# Altium PCB PCB_v1.PcbDoc (part 6 of 8)
Units mil, origin at the board's own origin, x right, y up, seen from the top; angles counter-clockwise.
Board outline 17000 x 5250 mil, 4 copper layers (Top Side, Ground Layer, Power Layer, Bottom Side), stack 33.2 mil thick; 637 components, 583 nets, 2779 pads, 978 vias.
Unrouted connection lines stored in the file: 104.
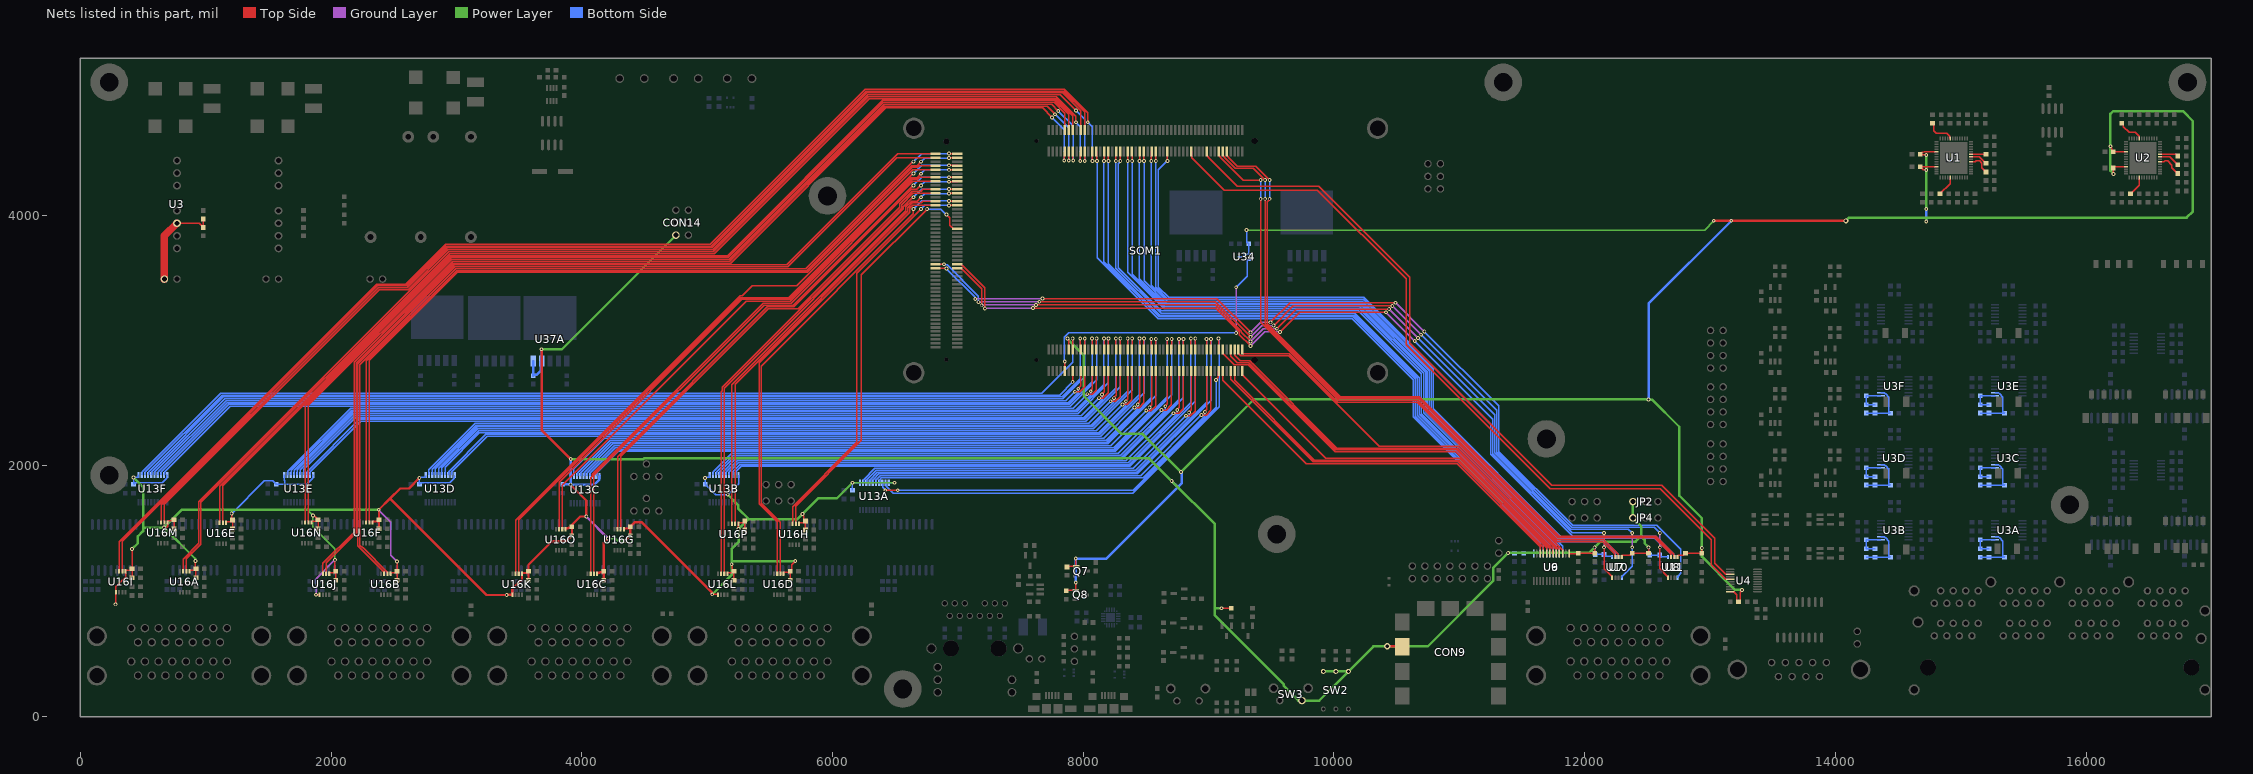
[diagram p8: the nets of this part, all layers, seen from the top]

## Via types
v1: diameter 30, hole 15, Top Side to Bottom Side, 913 vias
v2: diameter 25, hole 15, Top Side to Bottom Side, 30 vias
v3: diameter 60, hole 30, Top Side to Bottom Side, 29 vias
v4: diameter 50, hole 28, Top Side to Bottom Side, 4 vias
v5: diameter 40, hole 20, Top Side to Bottom Side, 2 vias

## Nets (pads, with @x,y where several pads share a name; then routed paths per layer and width w, separated by ;. In a path a pad name is that pad's centre, name@x,y a point inside that pad or via, vN(x,y) a via of type N, cw(c..) or ccw(c..) an arc to the next point about the centre after c; other vN are vias at no path point) (continued)
LV_ENC_B: SOM1.JX1-74 U4.15 | length 6165.2
  Top Side w10: SOM1.JX1-74@8860.51,4506.77 8865.51,4501.77 8865.51,4457.92 9123.43,4200 9868.03,4200 10575,3493.03 10575,2966.01 11724.01,1817 12603.21,1817 13008.7,1411.51 13008.7,1211.19 13124.47,1095.43 13160.4,1095.43 U4.15@13160.75,1095.08
LV_ENC_Z: SOM1.JX1-82 U4.13 | length 6016.3
  Top Side w10: SOM1.JX1-82@8986.49,4506.77 8986.49,4476.77 8997.99,4465.28 8997.99,4462.63 9230.62,4230 9880.45,4230 10605,3505.45 10605,2978.43 11736.43,1847 12615.63,1847 13038.7,1423.93 13038.7,1223.62 13127.52,1134.8 13160.4,1134.8 U4.13@13160.75,1134.45
LV_FLT_DESAT1: SOM1.JX1-13 U16A.2 | length 9058.9
  Top Side w10: U16A.2@844.41,1157.87 844.41,1259.39 960,1374.98 960,1708.7 2944.35,3693.04 5056.17,3693.04 6293.01,4929.89 7779.72,4929.89 7915.63,4793.98 SOM1.JX1-13@7915.63,4680
LV_FLT_DESAT2: SOM1.JX1-18 U16A.3 | length 9454.9
  Top Side w10: U16A.3@818.82,1157.87 818.82,1255.01 945,1381.19 945,1714.91 2938.13,3708.04 5049.95,3708.04 6286.8,4944.89 7785.93,4944.89 7941.63,4789.19 v1(7941.63,4741) ; v1(7976.37,4432.37) 7977.5,4433.5 7977.5,4505.65 SOM1.JX1-18@7978.62,4506.77
  Bottom Side w10: v1(7941.63,4741) 7976.37,4706.26 v1(7976.37,4432.37)
LV_FLT_DESAT3: SOM1.JX3-100 U16B.2 | length 7229.2
  Top Side w10: U16B.2@2448.65,1137.87 2448.65,1152.19 2255.41,1345.42 2250,1345.42 2228.23,1367.2 2228.23,2807.22 2994.05,3573.04 5786.98,3573.04 6640.49,4426.54 v1(6645,4426.54) ; v1(6930,4491.79) 6931.13,4490.66 6993.8,4490.66 SOM1.JX3-100@6994.92,4489.54
  Bottom Side w10: v1(6645,4426.54) 6710.24,4491.79 v1(6930,4491.79)
LV_FLT_DESAT4: SOM1.JX3-97 U16B.3 | length 7052.8
  Top Side w10: U16B.3@2423.06,1137.87 2423.06,1152.19 2245.25,1330 2244.21,1330 2213.23,1360.98 2213.23,2813.43 2987.84,3588.04 5641.67,3588.04 6511.68,4458.04 SOM1.JX3-97@6821.69,4458.04
LV_FLT_DESAT5: SOM1.JX3-88 U16C.2 | length 4671.6
  Top Side w10: U16C.2@4096.56,1137.87 4096.56,1925.47 5454.09,3283 5684.51,3283 6622.08,4220.58 6622.6,4220.58 6639.59,4237.57 v1(6645,4237.57) ; v1(6930,4302.81) 6931.13,4301.69 6993.8,4301.69 SOM1.JX3-88@6994.92,4300.56
  Bottom Side w10: v1(6645,4237.57) 6710.24,4302.81 v1(6930,4302.81)
LV_FLT_DESAT6: SOM1.JX3-85 U16C.3 | length 4506.5
  Top Side w10: U16C.3@4070.97,1137.87 4070.97,1906.07 4081.56,1916.66 4081.56,1931.69 5447.87,3298 5670.08,3298 6641.14,4269.07 SOM1.JX3-85@6821.69,4269.07
LV_FLT_DESAT7: SOM1.JX3-76 U16D.2 | length 3856
  Top Side w10: U16D.2@5584.41,1137.87 5584.41,1549.02 5429.83,1703.6 5429.83,2794.63 6645,4009.81 v1(6645,4048.59) ; v1(6930,4113.84) 6931.13,4112.71 6993.8,4112.71 SOM1.JX3-76@6994.92,4111.58
  Bottom Side w10: v1(6645,4048.59) 6710.24,4113.84 v1(6930,4113.84)
LV_FLT_DESAT8: SOM1.JX3-73 U16D.3 | length 3690.4
  Top Side w10: U16D.3@5558.82,1137.87 5558.82,1553.4 5414.83,1697.39 5414.83,2823.15 6615,4023.32 6615,4053.95 6641.14,4080.09 SOM1.JX3-73@6821.69,4080.09
LV_FLT_TEMP1: SOM1.JX1-20 U16M.2 | length 9329.4
  Top Side w10: U16M.2@669.41,1547.87 669.41,1692.76 2381.64,3405 2613.88,3405 2931.92,3723.04 5043.74,3723.04 6280.58,4959.89 7816.74,4959.89 v1(7941.63,4835) ; SOM1.JX1-20@8010.12,4506.77 8011.24,4505.65 8011.24,4433.5 v1(8012.37,4432.37)
  Bottom Side w10: v1(7941.63,4835) 8011.12,4765.51 8011.12,4433.62 v1(8012.37,4432.37)
LV_FLT_TEMP2: SOM1.JX1-17 U16M.3 | length 9048.6
  Top Side w10: U16M.3@643.82,1547.87 643.82,1688.39 2375.43,3420 2607.66,3420 2925.71,3738.04 5037.53,3738.04 6274.37,4974.89 7837.1,4974.89 7978.62,4833.36 SOM1.JX1-17@7978.62,4680
LV_FLT_TEMP3: SOM1.JX1-12 U16N.2 | length 8405
  Top Side w10: U16N.2@1818.29,1547.87 1818.29,2482.13 2969.2,3633.04 5181.23,3633.04 6418.08,4869.89 7711.03,4869.89 v1@7782.96,4797.96 ; v1(7884.13,4435) SOM1.JX1-12@7884.13,4506.77
  Bottom Side w10: v1(7775.46,4805.46) 7884.13,4696.78 v1(7884.13,4435)
LV_FLT_TEMP4: SOM1.JX1-14 U16N.3 | length 8476.4
  Top Side w10: U16N.3@1792.7,1547.87 1792.7,2477.76 2962.98,3648.04 5175.02,3648.04 6411.87,4884.89 7746.94,4884.89 v1(7800.91,4830.91) ; SOM1.JX1-14@7915.63,4506.77 7917.88,4504.52 7917.88,4437.25 v1(7920.13,4435)
  Bottom Side w10: v1(7800.91,4830.91) 7920.13,4711.69 v1(7920.13,4435)
LV_FLT_TEMP5: SOM1.JX3-87 U16O.2 | length 4346.6
  Top Side w10: U16O.2@3843.43,1492.87 3843.43,1843.42 5313,3313 5663.86,3313 6635.93,4285.07 6681.28,4285.07 6696.78,4300.56 SOM1.JX3-87@6821.69,4300.56
LV_FLT_TEMP6: SOM1.JX3-92 U16O.3 | length 4587.1
  Top Side w10: U16O.3@3817.83,1492.87 3817.83,1870.05 5275.78,3328 5657.65,3328 6629.72,4300.07 6675.07,4300.07 v1(6705,4330) ; v1(6930,4361.3) 6931.13,4362.43 6993.8,4362.43 SOM1.JX3-92@6994.92,4363.55
  Bottom Side w10: v1(6705,4330) 6736.3,4361.3 v1(6930,4361.3)
LV_FLT_TEMP7: SOM1.JX3-75 U16P.2 | length 3336.3
  Top Side w10: U16P.2@5222.59,1537.43 5222.59,2652.12 6600,4029.53 6600,4060.16 6636.93,4097.09 6707.06,4097.09 6721.56,4111.59 SOM1.JX3-75@6821.69,4111.59
LV_FLT_TEMP8: SOM1.JX3-80 U16P.3 | length 3558.6
  Top Side w10: U16P.3@5197,1537.43 5197,2647.75 6585,4035.75 6585,4066.38 6630.71,4112.09 6674.01,4112.09 v1(6705,4143.08) ; v1(6930,4172.32) 6931.13,4173.45 6993.8,4173.45 SOM1.JX3-80@6994.92,4174.58
  Bottom Side w10: v1(6705,4143.08) 6734.24,4172.32 v1(6930,4172.32)
LV_GPIO_A1: SOM1.JX1-92 U8.2 | length 5638.4
  Top Side w10: SOM1.JX1-92@9143.97,4506.77 9143.97,4476.77 9155.47,4465.28 9155.47,4462.63 9228.68,4389.42 9377.88,4389.42 v1(9487.3,4280) ; v1(9487.3,4130) 9487.3,4124.91 9468.63,4106.24 9468.63,3134.72 10050.36,2553 10682.61,2553 11795.61,1440 12566.57,1440 12712.91,1293.66 12712.91,1276.15 U8.2@12716.18,1272.88
  Bottom Side w10: v1(9487.3,4130) v1(9487.3,4280)
LV_GPIO_A2: SOM1.JX1-90 U8.3 | length 5622.7
  Top Side w10: SOM1.JX1-90@9112.48,4506.77 9112.48,4476.77 9123.97,4465.28 9123.97,4462.63 9212.18,4374.42 9356.88,4374.42 v1(9451.3,4280) ; v1(9451.3,4130) 9451.3,3130.84 10044.14,2538 10676.4,2538 11789.4,1425 12560.36,1425 12687.32,1298.03 12687.32,1276.15 U8.3@12690.59,1272.88
  Bottom Side w10: v1(9451.3,4130) v1(9451.3,4280)
LV_GPIO_A3: SOM1.JX1-88 U7.2 | length 5223.3
  Top Side w10: SOM1.JX1-88@9080.98,4506.77 9080.98,4476.77 9092.48,4465.28 9092.48,4462.63 9275.11,4280 v1(9415.3,4280) ; v1(9415.3,4130) 9415.3,3145.63 10037.93,2523 10670.18,2523 11783.18,1410 12151.57,1410 12267.13,1294.44 12267.13,1276.15 U7.2@12270.39,1272.88
  Bottom Side w10: v1(9415.3,4130) v1(9415.3,4280)
LV_GPIO_A4: SOM1.JX2-99 U7.3 | length 3692.1
  Top Side w10: SOM1.JX2-99@9269.96,2930 9269.96,2900 9274.96,2895 9644.72,2895 10031.72,2508 10663.97,2508 11776.97,1395 12145.36,1395 12241.54,1298.82 12241.54,1276.15 U7.3@12244.8,1272.88
LV_GPIO_A5: SOM1.JX2-97 U6.3 | length 3296
  Top Side w10: SOM1.JX2-97@9238.46,2930 9238.46,2896.49 9257.58,2877.38 9641.12,2877.38 10361.42,2157.09 10993.67,2157.09 11823.66,1327.09 11823.66,1301.14 U6.3@11824.57,1300.24
LV_GPIO_A6: SOM1.JX2-95 U6.4 | length 3312.3
  Top Side w10: SOM1.JX2-95@9206.97,2930 9206.97,2881.26 9251.46,2836.77 9326.84,2836.77 10021.53,2142.09 10985.55,2142.09 11798.07,1329.56 11798.07,1301.14 U6.4@11798.98,1300.24
LV_GPIO_A7: SOM1.JX2-93 U6.5 | length 3324.7
  Top Side w10: SOM1.JX2-93@9175.47,2930 9175.47,2874.53 9228.23,2821.77 9320.63,2821.77 10015.31,2127.09 10979.33,2127.09 11772.48,1333.94 11772.48,1301.14 U6.5@11773.39,1300.24
LV_GPIO_A8: SOM1.JX2-89 U6.6 | length 3351.3
  Top Side w10: SOM1.JX2-89@9112.48,2930 9112.48,2897.35 9203.06,2806.77 9314.42,2806.77 10009.1,2112.09 10973.12,2112.09 11746.89,1338.32 11746.89,1301.14 U6.6@11747.8,1300.24
LV_GPIO_A9: SOM1.JX2-90 U6.10 | length 3212.6
  Top Side w10: SOM1.JX2-90@9112.48,2756.77 9112.48,2681.14 9777.63,2015.98 10984.37,2015.98 11645.43,1354.92 U6.10@11645.43,1300.24
LV_GPIO_A10: SOM1.JX2-94 U6.9 | length 3166.6
  Top Side w10: SOM1.JX2-94@9175.47,2756.77 9175.47,2691.42 9835.91,2030.98 10990.58,2030.98 11671.02,1350.54 U6.9@11671.02,1300.24
LV_GPIO_A11: SOM1.JX2-96 U6.8 | length 3164.2
  Top Side w10: SOM1.JX2-96@9206.97,2756.77 9206.97,2681.14 9842.12,2045.98 10996.8,2045.98 11696.05,1346.73 11696.05,1300.8 U6.8@11696.61,1300.24
LV_GPIO_A12: SOM1.JX2-100 U6.7 | length 3097.5
  Top Side w10: SOM1.JX2-100@9269.96,2756.77 9269.96,2726.77 9935.74,2060.98 11003.01,2060.98 11721.3,1342.7 11721.3,1301.14 U6.7@11722.2,1300.24
LV_GPIO_B1: SOM1.JX1-62 U11.3 | length 6269.7
  Top Side w10: v1(8671.54,4432.37) SOM1.JX1-62@8671.53,4506.77
  Bottom Side w10: v1(8671.54,4432.37) 8600,4360.84 8600,3424.64 8680.64,3344 10239,3344 11250,2333 11250,2093.58 11903.58,1440 12566.57,1440 12712.91,1293.66 12712.91,1276.14 U11.3@12716.18,1272.87
LV_GPIO_B2: SOM1.JX1-56 U11.2 | length 6283.2
  Top Side w10: SOM1.JX1-56@8577.05,4506.77 8578.17,4505.65 8578.17,4433.5 v1(8579.3,4432.37)
  Bottom Side w10: v1(8579.3,4432.37) 8579.3,3424.13 8674.43,3329 10232.79,3329 10791,2770.79 10791,2456 11823,1424 12561.36,1424 12687.32,1298.03 12687.32,1276.14 U11.2@12690.59,1272.87
LV_GPIO_B3: SOM1.JX1-54 U10.3 | length 5888.5
  Top Side w10: v1(8543.3,4432.37) 8544.42,4433.5 8544.42,4505.65 SOM1.JX1-54@8545.55,4506.77
  Bottom Side w10: v1(8543.3,4432.37) 8543.3,3438.92 8668.22,3314 10226.58,3314 10776,2764.58 10776,2449.78 11816.78,1409 12152.57,1409 12267.91,1293.66 12267.91,1276.14 U10.3@12271.18,1272.87
LV_GPIO_B4: SOM1.JX1-50 U10.2 | length 5902.2
  Top Side w10: SOM1.JX1-50@8482.56,4506.77 8483.68,4505.65 8483.68,4433.5 v1(8484.81,4432.37)
  Bottom Side w10: v1(8484.81,4432.37) 8484.81,3476.2 8662.01,3299 10220.36,3299 10761,2758.36 10761,2443.57 11810.57,1394 12146.36,1394 12242.32,1298.03 12242.32,1276.14 U10.2@12245.59,1272.87
LV_GPIO_B5: SOM1.JX1-48 U9.10 | length 5518.6
  Top Side w10: v1(8448.81,4432.37) 8449.94,4433.5 8449.94,4505.65 SOM1.JX1-48@8451.06,4506.77
  Bottom Side w10: v1(8448.81,4432.37) 8448.81,3490.98 8655.79,3284 10214.15,3284 10746,2752.15 10746,2437.36 11824.57,1358.79 U9.10@11824.57,1300.24
LV_GPIO_B6: SOM1.JX1-44 U9.9 | length 5532.2
  Top Side w10: SOM1.JX1-44@8388.07,4506.77 8389.2,4505.65 8389.2,4433.5 v1(8390.32,4432.37)
  Bottom Side w10: v1(8390.32,4432.37) 8390.32,3528.26 8649.58,3269 10207.94,3269 10731,2745.94 10731,2431.14 11798.98,1363.17 U9.9@11798.98,1300.24
LV_GPIO_B7: SOM1.JX1-42 U9.8 | length 5534.9
  Top Side w10: v1(8354.32,4432.37) 8355.45,4433.5 8355.45,4505.65 SOM1.JX1-42@8356.57,4506.77
  Bottom Side w10: v1(8354.32,4432.37) 8354.32,3543.04 8645.37,3252 10200.89,3252 10716,2736.89 10716,2424.93 11773.39,1367.54 U9.8@11773.39,1300.24
LV_GPIO_B8: SOM1.JX1-38 U9.7 | length 5571.4
  Top Side w10: SOM1.JX1-38@8293.58,4506.77 8294.71,4505.65 8294.71,4433.5 v1(8295.83,4432.37)
  Bottom Side w10: v1(8295.83,4432.37) 8295.83,4426.96 8280,4411.13 8280,3579.44 8622.44,3237 10194.68,3237 10695,2736.68 10695,2416.23 11747.8,1363.44 U9.7@11747.8,1300.24
LV_GPIO_B9: SOM1.JX1-26 U9.3 | length 5580.3
  Top Side w10: SOM1.JX1-26@8104.61,4506.77 8107.3,4504.07 8107.3,4435.07 v1(8110,4432.37)
  Bottom Side w10: v1(8110,4432.37) 8110,3661.76 8599.14,3172.61 10147.68,3172.61 10633,2687.3 10633,2390.55 11645.43,1378.12 U9.3@11645.43,1300.24
LV_GPIO_B10: SOM1.JX1-30 U9.4 | length 5566.7
  Top Side w10: v1(8165.35,4432.37) 8166.47,4433.5 8166.47,4505.65 SOM1.JX1-30@8167.6,4506.77
  Bottom Side w10: v1(8165.35,4432.37) 8165.35,3627.62 8605.36,3187.61 10153.9,3187.61 10648,2693.51 10648,2396.76 11671.02,1373.74 U9.4@11671.02,1300.24
LV_GPIO_B11: SOM1.JX1-32 U9.5 | length 5562.4
  Top Side w10: SOM1.JX1-32@8199.09,4506.77 8200.22,4505.65 8200.22,4433.5 v1(8201.35,4432.37)
  Bottom Side w10: v1(8201.35,4432.37) 8201.35,3612.84 8611.57,3202.61 10160.11,3202.61 10663,2699.72 10663,2402.98 11696.61,1369.36 U9.5@11696.61,1300.24
LV_GPIO_B12: SOM1.JX1-36 U9.6 | length 5547.1
  Top Side w10: v1(8259.83,4432.37) 8260.96,4433.5 8260.96,4505.65 SOM1.JX1-36@8262.09,4506.77
  Bottom Side w10: v1(8259.83,4432.37) 8259.83,3578.39 8620.61,3217.61 10166.32,3217.61 10680,2703.94 10680,2410.02 11722.2,1367.81 U9.6@11722.2,1300.24
LV_GPIO_DIR1: SOM1.JX3-43 U8.5 | length 7482.5
  Top Side w10: SOM1.JX3-43@6821.69,3607.65 6821.94,3607.9 6889.75,3607.9 v1(6890,3608.15) ; v1(7649.54,3309.54) 9054.46,3309.54 v1(9335,3029) ; v1(9519.09,3119.62) 9675.38,3275.91 v1(10465.91,3275.91) ; v1(12600,1350) 12600,1181.35 12665,1116.35 U8.5@12665,1107.12
  Ground Layer w10: v1(7164.09,3305.91) 7167.27,3309.09 7649.09,3309.09 v1(7649.54,3309.54) ; v1(9335,3029) 9425.62,3119.62 v1(9519.09,3119.62) ; v1(10465.91,3275.91) v1(10695.91,3045.91) ; v1(12600,1350) v1(12600,1465)
  Bottom Side w10: v1(6890,3608.15) 6893.83,3604.32 6913.25,3604.32 7164.09,3353.48 v1(7164.09,3305.91) ; v1(10695.91,3045.91) 11298.48,2443.34 11298.48,2108.74 11897.22,1510 12555,1510 v1(12600,1465)
LV_GPIO_DIR2: SOM1.JX3-44 U7.5 | length 6928.8
  Top Side w10: SOM1.JX3-44@6994.92,3607.65 7024.92,3607.65 7036.42,3596.15 7039.06,3596.15 7215,3420.22 v1(7215,3255) ; v1(7598.63,3258.63) 9056.72,3258.63 9245,3070.36 9245,3047 v1(9335,2957) ; v1(9570,3068.71) 9726.29,3225 v1(10415,3225) ; v1(12155,1350) 12155,1180.56 12219.21,1116.35 U7.5@12219.21,1107.12
  Ground Layer w10: v1(7215,3255) 7216.82,3256.82 7596.82,3256.82 v1(7598.63,3258.63) ; v1(9335,2957) 9446.71,3068.71 v1(9570,3068.71) ; v1(10415,3225) v1(10645,2995) ; v1(12155,1350) v1(12155,1465)
  Bottom Side w10: v1(10645,2995) 11268.48,2371.52 11268.48,2096.31 11899.79,1465 v1(12155,1465)
LV_GPIO_DIR3: SOM1.JX3-41 U11.5 | length 7530.2
  Top Side w10: SOM1.JX3-41@6821.69,3576.15 6822.82,3575.03 6907.18,3575.03 v1(6908.31,3573.9) ; v1(7675,3335) 9065,3335 v1(9335,3065) ; v1(9493.63,3145.08) 9649.92,3301.37 v1(10491.37,3301.37)
  Ground Layer w10: v1(7138.63,3331.37) 7141.81,3334.54 7674.54,3334.54 v1(7675,3335) ; v1(9335,3065) 9415.08,3145.08 v1(9493.63,3145.08) ; v1(10491.37,3301.37) v1(10721.37,3071.37)
  Bottom Side w10: v1(6908.31,3573.9) 7134.81,3347.4 7134.81,3335.19 v1(7138.63,3331.37) ; v1(10721.37,3071.37) 11314.31,2478.42 11314.31,2114.12 11903.43,1525 12575.36,1525 12766.77,1333.58 12766.77,1141.34 12741.77,1116.34 U11.5@12741.77,1107.11
LV_GPIO_DIR4: SOM1.JX3-42 U10.5 | length 7130.2
  Top Side w10: SOM1.JX3-42@6994.92,3576.15 7024.92,3576.15 7036.42,3564.66 7039.06,3564.66 7189.54,3414.18 v1(7189.54,3280.46) ; v1(7624.09,3284.09) 9052.48,3284.09 9262.15,3074.41 9262.15,3065.85 v1(9335,2993) ; v1(9544.54,3094.17) 9700.83,3250.46 v1(10440.46,3250.46)
  Ground Layer w10: v1(7189.54,3280.46) 7192.72,3283.63 7623.63,3283.63 v1(7624.09,3284.09) ; v1(9335,2993) 9436.17,3094.17 v1(9544.54,3094.17) ; v1(10440.46,3250.46) v1(10670.46,3020.46) ; v1(12380,1350) v1(12380,1465)
  Bottom Side w10: v1(10670.46,3020.46) 11283.48,2407.43 11283.48,2102.53 11891.01,1495 12350,1495 v1(12380,1465) ; U10.5@12296.77,1107.11 12296.77,1116.34 12380,1199.57 v1(12380,1350)
LV_INV1_PWM1: SOM1.JX2-25 U13F.9 | length 8180.6
  Top Side w10: SOM1.JX2-25@8104.61,2930 8105.73,2931.13 8105.73,3013.87 v1(8106.86,3015)
  Bottom Side w10: U13F.9@667.44,1927.6 671.3,1931.46 671.3,1953.47 1192.93,2475.1 7894.68,2475.1 8106.86,2687.28 v1(8106.86,3015)
LV_INV1_PWM2: SOM1.JX2-23 U13F.8 | length 8178.9
  Top Side w10: v1(8070.86,3015) 8071.98,3013.87 8071.98,2931.13 SOM1.JX2-23@8073.11,2930
  Bottom Side w10: U13F.8@641.85,1927.6 645.71,1931.46 645.71,1953.47 1182.34,2490.1 7888.47,2490.1 8070.86,2672.49 v1(8070.86,3015)
LV_INV1_PWM3: SOM1.JX2-18 U13F.7 | length 7809.7
  Top Side w10: v1(7960,2615) 7960,2620.18 7978.62,2638.8 SOM1.JX2-18@7978.62,2756.77
  Bottom Side w10: U13F.7@616.26,1927.6 620.12,1931.46 620.12,1953.47 1171.75,2505.1 7882.25,2505.1 7960,2582.85 v1(7960,2615)
LV_INV1_PWM4: SOM1.JX2-20 U13F.6 | length 7851.1
  Top Side w10: v1(7932.94,2591.15) 7934.09,2590 7970.36,2590 8010.12,2629.76 SOM1.JX2-20@8010.12,2756.77
  Bottom Side w10: U13F.6@590.67,1927.6 594.53,1931.46 594.53,1953.47 1161.16,2520.1 7861.9,2520.1 v1(7932.94,2591.15)
LV_INV1_PWM5: SOM1.JX2-19 U13F.5 | length 8175.1
  Top Side w10: SOM1.JX2-19@8010.12,2930 8011.24,2931.13 8011.24,3013.87 v1(8012.37,3015)
  Bottom Side w10: U13F.5@565.08,1927.6 568.94,1931.46 568.94,1953.47 1150.57,2535.1 7837.3,2535.1 8012.37,2710.17 v1(8012.37,3015)
LV_INV1_PWM6: SOM1.JX2-17 U13F.4 | length 8173.4
  Top Side w10: v1(7976.37,3015) 7977.5,3013.87 7977.5,2931.13 SOM1.JX2-17@7978.62,2930
  Bottom Side w10: U13F.4@539.49,1927.6 543.35,1931.46 543.35,1953.47 1139.98,2550.1 7831.09,2550.1 7976.37,2695.39 v1(7976.37,3015)
LV_INV2_PWM1: SOM1.JX2-24 U13E.3 | length 6863.3
  Top Side w10: v1(8060,2595) 8060,2600.41 8073.11,2613.52 SOM1.JX2-24@8073.11,2756.77
  Bottom Side w10: U13E.3@1677.13,1927.6 1680.98,1931.46 1680.98,1963.24 2162.85,2445.1 7941.05,2445.1 8060,2564.06 v1(8060,2595)
LV_INV2_PWM2: SOM1.JX2-26 U13E.2 | length 6903.4
  Top Side w10: v1(8032.34,2571.75) 8034.09,2570 8070.36,2570 8104.61,2604.25 SOM1.JX2-26@8104.61,2756.77
  Bottom Side w10: U13E.2@1651.54,1927.6 1655.39,1931.46 1655.39,1958.86 2156.64,2460.1 7920.69,2460.1 v1(8032.34,2571.75)
LV_INV2_PWM3: SOM1.JX2-29 U13E.4 | length 7233.6
  Top Side w10: v1(8165.35,3015) 8166.47,3013.87 8166.47,2931.13 SOM1.JX2-29@8167.6,2930
  Bottom Side w10: U13E.4@1702.72,1927.6 1706.57,1931.46 1706.57,1965.1 2171.57,2430.1 7947.26,2430.1 8165.35,2648.19 v1(8165.35,3015)
LV_INV2_PWM4: SOM1.JX2-31 U13E.5 | length 7238.7
  Top Side w10: SOM1.JX2-31@8199.09,2930 8200.22,2931.13 8200.22,3013.87 v1(8201.35,3015)
  Bottom Side w10: U13E.5@1728.31,1927.6 1729.89,1929.18 1729.89,1967.2 2177.79,2415.1 7954.89,2415.1 8201.35,2661.56 v1(8201.35,3015)
LV_INV2_PWM5: SOM1.JX2-14 U13F.3 | length 7808.9
  Top Side w10: v1(7915.63,2670) SOM1.JX2-14@7915.63,2756.77
  Bottom Side w10: U13F.3@513.9,1927.6 517.76,1931.46 517.76,1953.47 1129.39,2565.1 7810.73,2565.1 v1(7915.63,2670)
LV_INV2_PWM6: SOM1.JX2-13 U13F.2 | length 8086.6
  Top Side w10: SOM1.JX2-13@7915.63,2930 v1(7915.63,3015)
  Bottom Side w10: U13F.2@488.31,1927.6 492.17,1931.46 492.17,1953.47 1118.79,2580.1 7670.1,2580.1 7915.63,2825.63 v1(7915.63,3015)
LV_INV3_PWM1: SOM1.JX2-43 U13D.5 | length 6340.8
  Top Side w10: SOM1.JX2-43@8388.07,2930 8389.2,2931.13 8389.2,3013.87 v1(8390.32,3015)
  Bottom Side w10: U13D.5@2857.13,1927.6 2857.13,1981.98 3170.25,2295.1 8079.06,2295.1 8390.32,2606.36 v1(8390.32,3015)
LV_INV3_PWM2: SOM1.JX2-41 U13D.4 | length 6335.1
  Top Side w10: v1(8354.32,3015) 8355.45,3013.87 8355.45,2931.13 SOM1.JX2-41@8356.57,2930
  Bottom Side w10: U13D.4@2831.54,1927.6 2831.54,1977.6 3164.04,2310.1 8070.46,2310.1 8354.32,2593.96 v1(8354.32,3015)
LV_INV3_PWM3: SOM1.JX2-36 U13D.3 | length 5964.2
  Top Side w10: v1(8245,2540) 8245,2545.41 8262.09,2562.5 SOM1.JX2-36@8262.09,2756.77
  Bottom Side w10: U13D.3@2805.94,1927.6 2805.94,1974.82 3156.22,2325.1 8064.25,2325.1 8245,2505.85 v1(8245,2540)
LV_INV3_PWM4: SOM1.JX2-38 U13D.2 | length 6001.1
  Top Side w10: v1(8218.94,2515.15) 8219.09,2515 8255.36,2515 8293.58,2553.23 SOM1.JX2-38@8293.58,2756.77
  Bottom Side w10: U13D.2@2780.35,1927.6 2780.35,1970.45 3150.01,2340.1 8043.9,2340.1 v1(8218.94,2515.15)
LV_INV3_PWM5: SOM1.JX2-37 U13E.9 | length 7239
  Top Side w10: SOM1.JX2-37@8293.58,2930 8294.71,2931.13 8294.71,3013.87 v1(8295.83,3015)
  Bottom Side w10: U13E.9@1830.67,1927.6 1834.53,1931.46 1834.53,1953.47 2236.16,2355.1 8019.3,2355.1 8295.83,2631.64 v1(8295.83,3015)
LV_INV3_PWM6: SOM1.JX2-35 U13E.8 | length 7236.4
  Top Side w10: v1(8259.83,3015) 8260.96,3013.87 8260.96,2931.13 SOM1.JX2-35@8262.09,2930
  Bottom Side w10: U13E.8@1805.08,1927.6 1808.94,1931.46 1808.94,1953.47 2225.57,2370.1 8011.67,2370.1 8259.83,2618.27 v1(8259.83,3015)
LV_INV4_PWM1: SOM1.JX2-47 U13D.8 | length 6325.6
  Top Side w10: v1(8448.81,3015) 8449.94,3013.87 8449.94,2931.13 SOM1.JX2-47@8451.06,2930
  Bottom Side w10: U13D.8@2933.9,1927.6 2937.76,1931.46 2937.76,1953.47 3234.39,2250.1 8130.23,2250.1 8448.81,2568.68 v1(8448.81,3015)
LV_INV4_PWM2: SOM1.JX2-49 U13D.9 | length 6328.2
  Top Side w10: SOM1.JX2-49@8482.56,2930 8483.68,2931.13 8483.68,3013.87 v1(8484.81,3015)
  Bottom Side w10: U13D.9@2959.49,1927.6 2963.35,1931.46 2963.35,1953.47 3244.98,2235.1 8137.86,2235.1 8484.81,2582.06 v1(8484.81,3015)
LV_INV4_PWM3: SOM1.JX2-42 U13D.7 | length 5980.5
  Top Side w10: v1(8340,2515) 8340,2520.41 8356.57,2536.99 SOM1.JX2-42@8356.57,2756.77
  Bottom Side w10: U13D.7@2908.31,1927.6 2908.31,1990.73 3182.68,2265.1 8124.02,2265.1 8340,2481.09 v1(8340,2515)
LV_INV4_PWM4: SOM1.JX2-44 U13D.6 | length 6017.6
  Top Side w10: v1(8313.82,2490.26) 8314.09,2490 8350.36,2490 8388.07,2527.71 SOM1.JX2-44@8388.07,2756.77
  Bottom Side w10: U13D.6@2882.72,1927.6 2882.72,1986.36 3176.46,2280.1 8103.66,2280.1 v1(8313.82,2490.26)
LV_INV4_PWM5: SOM1.JX2-30 U13E.7 | length 6881.7
  Top Side w10: v1(8150,2570) 8150,2575.41 8167.6,2593.01 SOM1.JX2-30@8167.6,2756.77
  Bottom Side w10: U13E.7@1779.49,1927.6 1779.49,1974.38 2190.21,2385.1 8005.46,2385.1 8150,2529.64 v1(8150,2570)
LV_INV4_PWM6: SOM1.JX2-32 U13E.6 | length 6914.8
  Top Side w10: v1(8125,2540) 8155.36,2540 8199.09,2583.74 SOM1.JX2-32@8199.09,2756.77
  Bottom Side w10: U13E.6@1753.9,1927.6 1753.9,1970 2184,2400.1 7985.1,2400.1 v1(8125,2540)
LV_INV5_PWM1: SOM1.JX2-63 U13C.9 | length 5400.3
  Top Side w10: SOM1.JX2-63@8703.03,2930 8704.16,2931.13 8704.16,3011.62 v1(8705.28,3012.75)
  Bottom Side w10: U13C.9@4115.67,1920 4119.53,1923.86 4119.53,1945.87 4288.76,2115.1 8254.03,2115.1 8705.28,2566.35 v1(8705.28,3012.75)